# Altium PCB mV_meter.PcbDoc (part 3 of 3)
Units mil, origin at the board's own origin, x right, y up, seen from the top; angles counter-clockwise.
Board outline 5905.51 x 3937.01 mil, 2 copper layers (TOP, BOT), stack 61.811 mil thick; 225 components, 157 nets, 790 pads, 333 vias.
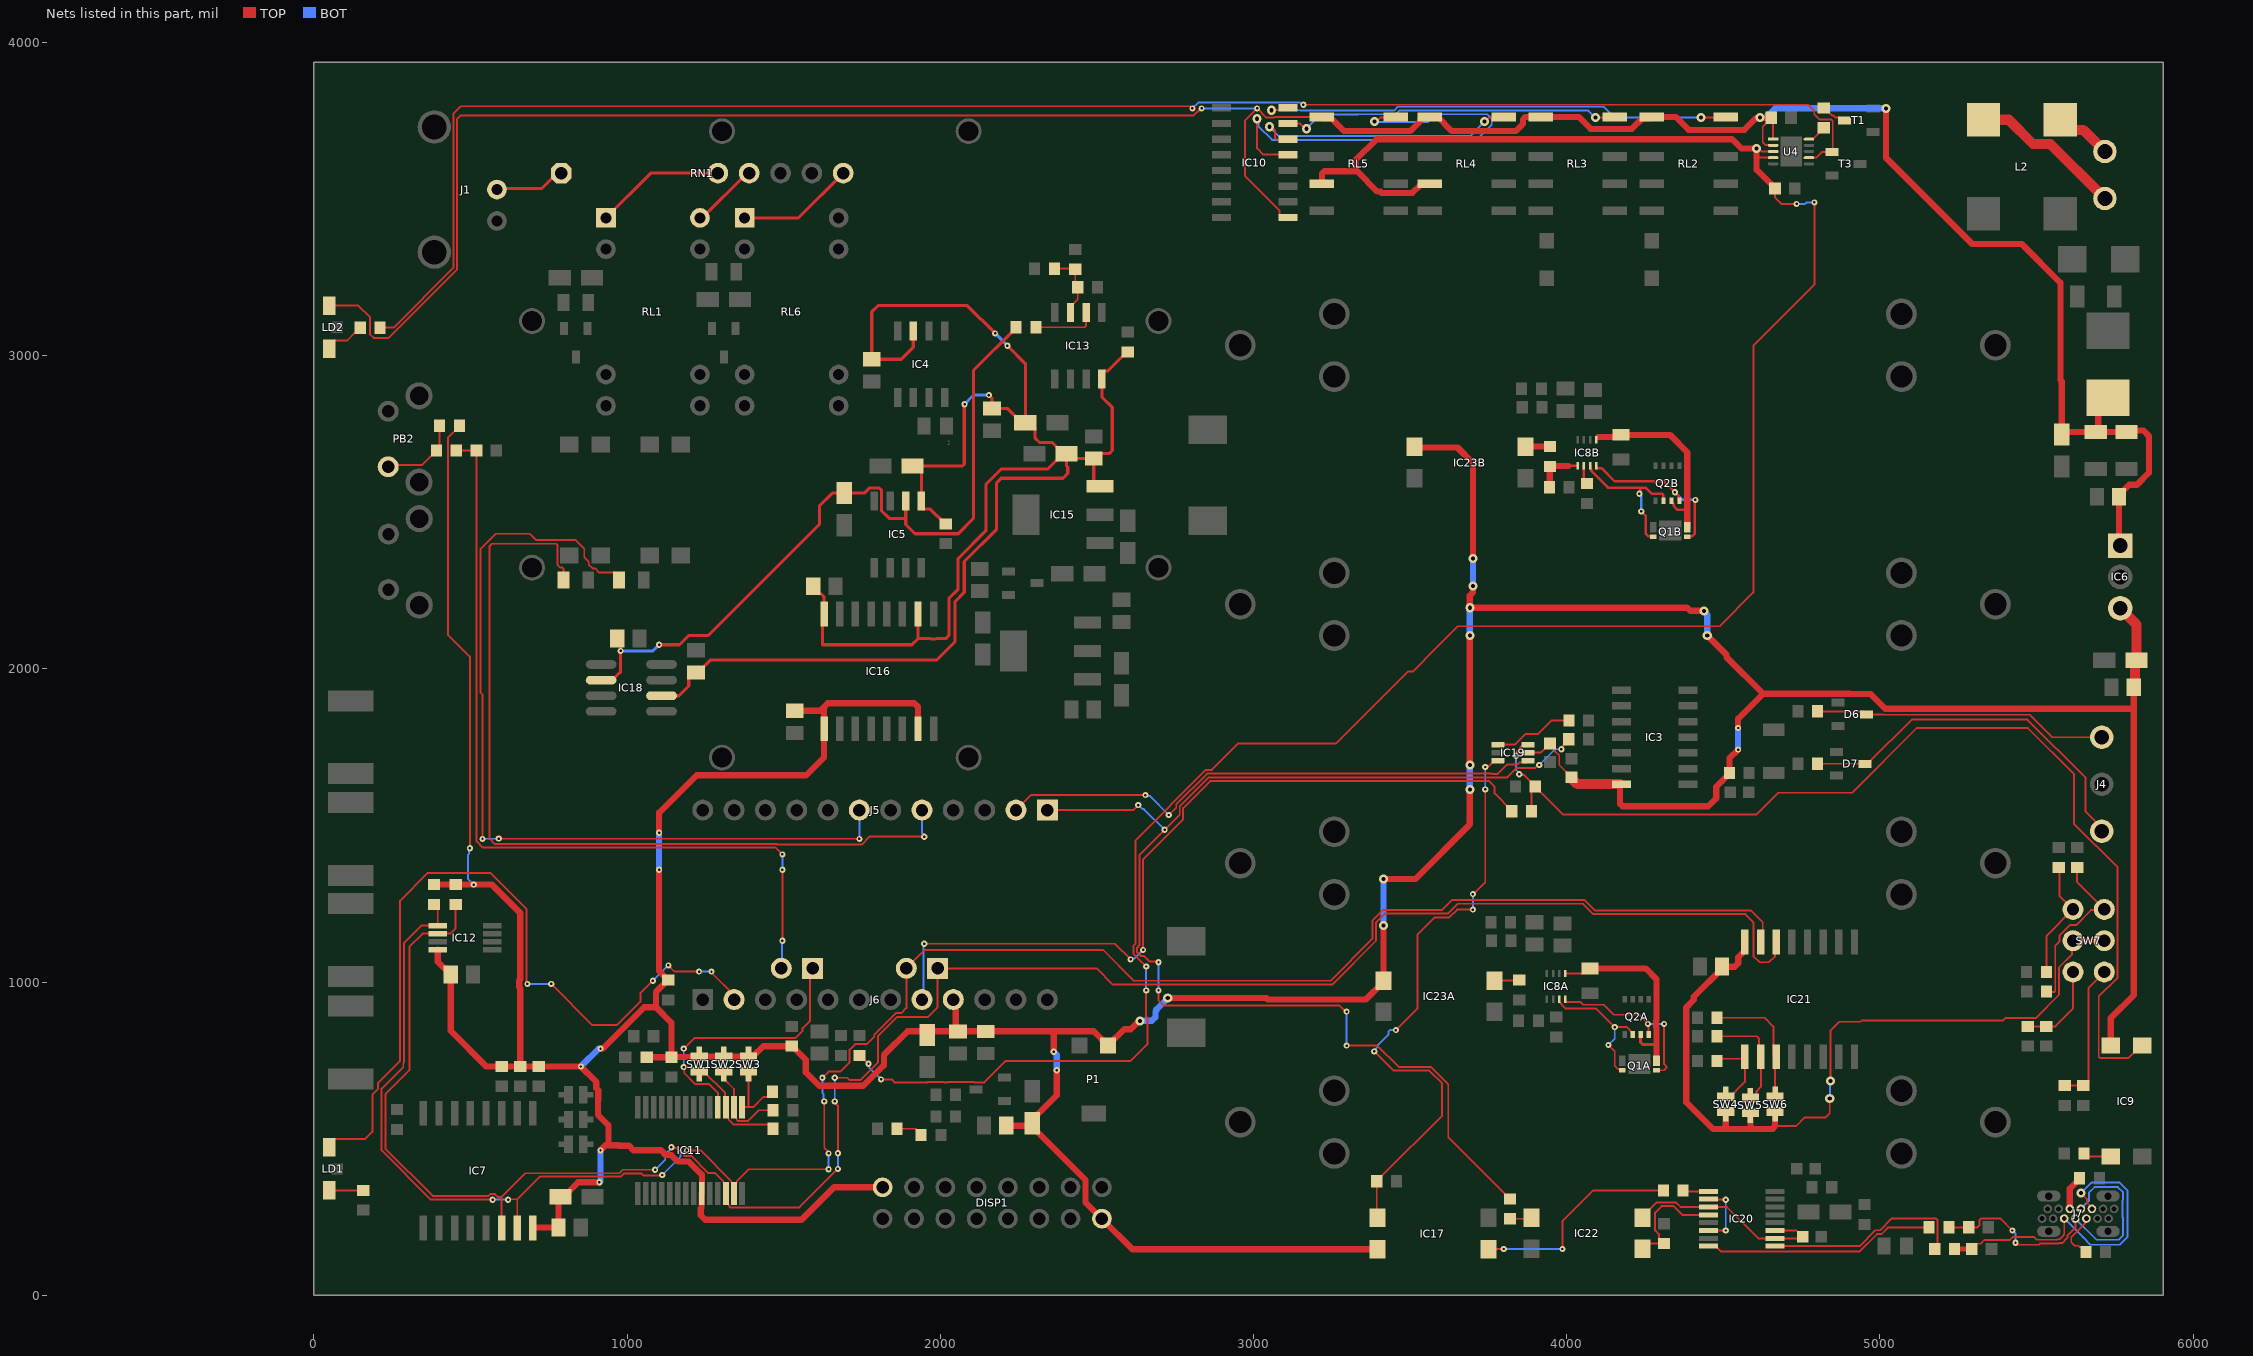
[diagram p3: the nets of this part, all layers, seen from the top]

## Via types
v1: diameter 19.68, hole 7.87, TOP to BOT, 250 vias
v2: diameter 29, hole 13, TOP to BOT, 83 vias

## Nets (pads, with @x,y where several pads share a name; then routed paths per layer and width w, separated by ;. In a path a pad name is that pad's centre, name@x,y a point inside that pad or via, vN(x,y) a via of type N, cw(c..) or ccw(c..) an arc to the next point about the centre after c; other vN are vias at no path point) (continued)
NetIC8A_3: IC8A.3 Q1A.3 Q2A.2 | length 459.5
  TOP w6: IC8A.3@3976.38,944.88 3976.38,937.01 3983.13,930.26 3983.13,929.34 3997.11,915.35 4094.49,915.35 v1(4153.54,856.3) 4192.35,856.3 4201.04,847.61 4201.04,846.47 4210.63,836.88 Q2A.2@4210.63,832.88 ; v1(4133.32,798.96) 4153.54,778.74 4153.54,732.35 4163.59,722.3 4173.96,722.3 Q1A.3@4177.76,718.5
  BOT w6: v1(4133.32,798.96) 4153.54,819.18 v1(4153.54,856.3)
NetIC8A_4: IC8A.4 Q1A.4 Q2A.4 | length 564.1
  TOP w6: IC8A.4@3996.06,944.88 3996.06,937.01 3997,936.07 4044.24,936.07 4052.96,927.35 4119.14,927.35 4150.83,895.67 4232.28,895.67 v1@4260.57,867.38 ; Q2A.4@4261.81,832.88 v1@4261.81,866.14 ; Q1A.4@4286.81,718.5 4311.02,718.5 4318.38,725.86 4318.38,730.83 4311.02,738.19 v1(4311.02,866.14)
  BOT w6: v1(4259.34,866.14) v1(4311.02,866.14)
NetIC8A_5: IC8A.5 Q1A.5_6 Q2A.3 R26A.2 | length 652.8
  TOP w6: IC8A.5@3996.06,1027.17 4049.8,1027.17 4065.94,1043.31 R26A.2@4074.8,1043.31
  TOP w10: Q2A.3@4236.22,832.88 4236.22,806.78 4242.08,800.92 4286.81,800.92
  TOP w20: R26A.2@4074.8,1043.31 4251.97,1043.31 4286.81,1008.46 4286.81,878.48 4285.18,876.85 4285.18,855.44 4286.81,853.81 4286.81,800.92 Q1A.5_6@4286.81,748.03
NetIC8B_1: IC8B.1 R21B.1 R23B.1 | length 157.1
  TOP w8: 4005.91,2647.64 4006.69,2648.43 IC8B.1@4035.43,2648.43
  TOP w19.68: R21B.1@3944.88,2579.53 3945.87,2580.51 3945.87,2645.47 R23B.1@3946.85,2646.46 3948.03,2647.64 4005.91,2647.64
NetIC8B_2: IC8B.2 R25B.2 | length 61.2
  TOP w7.87: IC8B.2@4055.12,2648.43 4055.12,2601.18 R25B.2@4064.96,2591.34
NetIC8B_3: IC8B.3 Q1B.3 Q2B.2 | length 483.3
  TOP w7.87: IC8B.3@4074.8,2648.43 4074.8,2640.55 4078.74,2636.61 4078.74,2631.72 4131.72,2578.74 4235.17,2578.74 ; v1(4232.28,2559.06) 4234.54,2561.32 4234.54,2578.11 4235.17,2578.74 ; v1(4237.89,2502.76) 4251.97,2488.68 4251.97,2431.92 4260.86,2423.03 4275.2,2423.03 Q1B.3@4276.18,2422.05 ; Q2B.2@4309.05,2536.43 4309.05,2554.62 4304.44,2559.24 4271.47,2559.24 4251.97,2578.74 4235.17,2578.74
  BOT w7.87: v1(4232.28,2559.06) 4232.28,2555.86 4237.89,2550.25 v1(4237.89,2502.76)
NetIC8B_4: IC8B.4 Q1B.4 Q2B.4 | length 536.3
  TOP w7.87: IC8B.4@4094.49,2648.43 4094.49,2640.55 4111.42,2640.55 4153.54,2598.43 4311.02,2598.43 v1(4345.61,2563.84) 4357.17,2552.28 4357.17,2539.49 Q2B.4@4360.24,2536.43 ; Q1B.4@4385.24,2422.05 4386.22,2423.03 4400.56,2423.03 4409.45,2431.92 4409.45,2537.74 v1(4411.08,2539.37)
  BOT w7.87: v1(4345.61,2563.84) 4370.08,2539.37 v1(4411.08,2539.37)
NetIC8B_5: IC8B.5 Q1B.5_6 Q2B.3 R26B.2 | length 617.9
  TOP w7.87: Q2B.3@4334.65,2536.43 4334.65,2532.43 4341.42,2525.65 4341.42,2520.53 4354.38,2507.58 4385.24,2507.58
  TOP w20: 4101.05,2739.75 4166.13,2739.75 R26B.2@4173.23,2746.85 4329.92,2746.85 4385.24,2691.54 4385.24,2507.58 Q1B.5_6@4385.24,2451.57
NetIC9_1: IC9.1 R44.1 | length 89.9
  TOP w6: R44.1@5651.57,452.76 5661.42,442.91 IC9.1@5737.4,442.91
NetIC11_15: IC11.15 R29.2 SW3.2 | length 233.2
  TOP w6: IC11.15@1367.13,600.39 1387.8,600.39 ; SW3.2@1387.8,714.57 SW3.2@1387.8,691.44 1387.8,600.39 ; R29.2@1464.57,649.61 1464.57,647.64 1449.85,632.92 1435.09,632.92 1402.56,600.39 1387.8,600.39
NetIC11_16: IC11.16 R20.2 SW2.2 | length 280.4
  TOP w6: SW2.2@1309.05,691.44 1309.05,690.94 1341.54,658.46 1341.54,572.83 1350.27,564.1 1350.27,560.66 1354.95,555.98 1386.1,555.98 1420.67,590.55 R20.2@1466.54,590.55
NetIC11_17: IC11.17 R19.2 SW1.2 | length 355
  TOP w6: SW1.2@1230.31,714.57 1244.09,714.57 1312.85,645.81 1312.85,575.93 1324.68,564.1 1324.68,560.66 1340.36,544.98 1453.05,544.98 R19.2@1466.54,531.5
NetIC13_2: IC13.2 R39.2 | length 205
  TOP w6: R39.2@2305.12,3090.55 2460.63,3090.55 2465.94,3095.87 IC13.2@2465.94,3137.8
NetIC13_3: IC13.3 R40.2 R41.2 R42.1 | length 218.3
  TOP w6: R40.2@2364.17,3277.56 2429.13,3277.56 R41.2@2431.1,3275.59 2431.1,3226.38 R42.1@2438.98,3218.5 2438.98,3179.53 2415.94,3156.5 IC13.3@2415.94,3137.8
NetIC17_1: IC17.1 R46.1 | length 688.7
  TOP w6: IC17.1@3750,146.85 3750.79,147.64 v1(3799.21,147.64) ; v1(3986.22,147.64) 3986.22,236.22 4084.65,334.65 R46.1@4309.06,334.65
  BOT w6: v1(3799.21,147.64) v1(3986.22,147.64)
NetIC20_1: IC20.1 R46.2 | length 81.9
  TOP w6: R46.2@4372.05,334.65 4375,331.69 IC20.1@4452.76,331.69
NetIC20_2: IC20.2 IC20.6 | length 209.3
  TOP w6: IC20.6@4452.76,206.69 v1(4507.87,206.69) ; IC20.2@4452.76,306.69 4453.54,305.91 4507.09,305.91 v1(4507.87,305.12)
  BOT w6: v1(4507.87,206.69) v1(4507.87,305.12)
NetIC20_4: IC20.4 IC22.3 R63.2 | length 376.3
  TOP w6: IC22.3@4242.13,147.64 4259.84,165.35 R63.2@4309.06,165.35 ; R63.2@4311.02,165.35 R63.2@4309.06,165.35 ; IC20.4@4452.76,256.69 4369.29,256.69 4341.39,284.59 4303.22,284.59 4282.34,263.71 4282.34,206.9 4294.34,194.9 4294.34,180.07 R63.2@4309.06,165.35
NetIC20_8: IC20.8 R48.1 | length 743.5
  TOP w6: IC20.8@4452.76,156.69 4475.39,156.69 4492.27,139.82 4935.16,139.82 4990.88,195.54 5005.81,195.54 5026.81,216.54 R48.1@5157.48,216.54
NetIC20_9: IC20.9 R47.1 | length 653.7
  TOP w6: IC20.9@4665.35,156.69 4935.07,156.69 4985.91,207.54 5000.84,207.54 5038.53,245.22 5178.92,245.22 5184.2,239.95 5184.2,156.64 R47.1@5175.2,147.64
NetIC21_1: IC21.1 R51.2 SW4.2 | length 254
  TOP w6: R51.2@4476,749 4482,755 4569,755 4569.09,755.09 IC21.1@4569.09,761.81 ; SW4.2@4507.87,633.86 4521.65,633.86 4560.8,673 4561,673 4569,681 IC21.1@4569,752
NetIC21_2: IC21.2 R52.2 SW5.2 | length 335.4
  TOP w6: R52.2@4480.32,826.77 4607.23,826.77 4614,820 4614,780 IC21.2@4623,771 ; SW5.2@4586.61,629.92 4595.57,629.92 4606.35,640.7 4606.35,652 4620,665.65 IC21.2@4620,757
NetIC21_3: IC21.3 R36.2 SW6.2 | length 406.8
  TOP w6: R36.2@4480.32,885.83 4632.17,885.83 4660.28,857.72 4660.28,768.72 IC21.3@4668.14,760.86 ; SW6.2@4665.35,656.99 4665.35,737.35 IC21.3@4668.69,740.69 ; IC21.3@4668.69,760.31 IC21.3@4668.69,740.69 ; IC21.3@4676,748 IC21.3@4668.69,740.69
NetIC22_1: IC22.1 R65.2 | length 70.4
  TOP w6: R65.2@3818.9,244.09 3884.25,244.09 IC22.1@3887.8,247.64
NetIC23A_4: IC23A.4 R23A.2 | length 79.2
  TOP w6: IC23A.4@3769.69,1004.72 3847.24,1004.72 R23A.2@3848.43,1005.91
NetIC23B_4: IC23B.4 R23B.2 | length 79.2
  TOP w19.68: IC23B.4@3868.11,2708.27 3869.29,2709.45 R23B.2@3946.85,2709.45
NetJ1_1: J1.1 RN1.1 | length 227.2
  TOP w10: J1.1@584.75,3530 587.74,3532.99 726.9,3532.99 776.59,3582.68 RN1.1@790.16,3582.68
NetJ7_A5: J7.A5 R49.2 | length 156.4
  TOP w6: R49.2@5657.48,137.8 5657.48,139.76 5642.76,154.48 5636.73,154.48 5633.05,158.17 5622.05,158.17 5610.92,169.3 5610.92,185.04 5655.32,229.44 5655.32,240.76 J7.A5@5659.45,244.88
NetJ7_B5: J7.B5 R50.1 | length 111.5
  TOP w20: J7.B5@5606.3,275.59 5606.3,340.55 5637.8,372.05 R50.1@5637.8,374.02
NetJ10_1: J10.1 L2.1 | length 484.1
  TOP w32: L2.1@5330.56,3753 5411.6,3753 5488.75,3675.85 5544.23,3675.85 5710,3510.08 J10.1@5710,3506
NetJ10_2: J10.2 L2.4 | length 183.4
  TOP w32: L2.4@5575.44,3753 5607.59,3720.85 5649.23,3720.85 5713,3657.08 J10.2@5713,3651
NetLD1_1: LD1.1 R69.2 | length 108.3
  TOP w6: LD1.1@49.21,334.65 R69.2@157.48,334.65
NetLD2_1: LD2.1 R28.2 | length 133.8
  TOP w6: LD2.1@49.21,3021.65 49.21,3031.5 65.9,3048.18 106.99,3048.18 131.43,3072.62 133.4,3072.62 148.11,3087.34 R28.2@148.11,3089.31
NetPB2_2: PB2.2 R67.1 R68.2 | length 259.6
  TOP w6: PB2.2@237.49,2645.16 242.58,2650.25 345.13,2650.25 375.05,2680.17 377.02,2680.17 391.73,2694.88 R68.2@391.73,2696.85 401.57,2706.69 R67.1@401.57,2775.59
NetR27_1: R27.1 U4.10 | length 81.8
  TOP w6: R27.1@4821,3727.5 4818.97,3729.54 4814.9,3729.54 4806.15,3720.79 4806.15,3711.37 U4.10@4785.72,3690.94 ; U4.10@4785.72,3690.94 U4.10@4773.62,3690.94 U4.10@4785.72,3690.94
NetR27_2: R27.2 T1.3 | length 74.9
  TOP w6: R27.2@4821,3790.5 4822.97,3790.5 4847.24,3766.22 4852.63,3766.22 4858.06,3760.8 4871.2,3760.8 T1.3@4880,3752
NetR28_1: R28.1 T3.1 U4.7 | length 5438.1
  TOP w6: R28.1@211.1,3089.31 254.66,3089.31 445.9,3280.54 445.9,3772.67 469.16,3795.93 2798.56,3795.93 v1(2805.12,3789.37) ; v1(3159.45,3801.09) 4771.75,3801.09 4773.6,3799.23 4790.37,3782.46 4790.37,3770.99 4807.15,3754.22 4844.41,3754.22 4849.69,3748.95 4849.69,3659.4 4839.89,3649.61 4814.91,3649.61 4797.36,3632.05 4773.79,3632.05 U4.7@4773.62,3631.89
  BOT w6: v1(2805.12,3789.37) 2823.68,3807.93 3149.61,3807.93 3156.45,3801.09 v1(3159.45,3801.09)
NetR30_1: R30.1 R31.2 | length 86.1
  TOP w6: R30.1@1862.2,531.5 1921.26,531.5 1938.98,513.78 R31.2@1938.98,511.81
NetR53_2: R53.2 R57.2 SW7.1 | length 449.2
  TOP w6: R53.2@5590.55,669.29 R57.2@5648.29,669.29 ; R57.2@5649.61,669.29 5651.57,669.29 5666.29,684.01 5666.29,981.65 SW7.1@5716.53,1031.89
NetR54_2: R54.2 R58.2 SW7.2 | length 395.7
  TOP w6: R54.2@5536.72,1026.77 R54.2@5531.5,1032 5531.5,1146.85 SW7.2@5616.53,1231.89 5574.07,1274.35 5574.07,1362.94 R58.2@5570.87,1366.14
NetR55_2: R55.2 R59.2 SW7.4 | length 560.7
  TOP w6: R55.2@5532,970 5534,968 5556.37,968 5559.89,971.51 5559.89,1116.13 5574.07,1130.31 5574.07,1149.48 5606.48,1181.89 5626.59,1181.89 5674.07,1229.37 5697.95,1229.37 5714.01,1229.37 SW7.4@5716.53,1231.89 5629.92,1318.5 R59.2@5629.92,1366.14
NetR56_2: R56.2 R60.2 SW7.8 | length 267.3
  TOP w6: R56.2@5472.44,858.27 5513.73,858.27 R60.2@5514,858 ; R60.2@5531.5,858.27 5560.18,858.27 5616.53,914.62 SW7.8@5616.53,1031.89
NetRL1_1: RL1.1 RN1.2 | length 416.7
  TOP w10: RL1.1@932.68,3439.76 1075.59,3582.68 RN1.2@1290.16,3582.68
NetRL1_14: RL1.14 RN1.3 | length 216.7
  TOP w10: RL1.14@1232.68,3439.76 1239.96,3439.76 1382.87,3582.68 RN1.3@1390.16,3582.68
NetRL6_1: RL6.1 RN1.6 | length 373.8
  TOP w10: RL6.1@1375.59,3439.76 1547.24,3439.76 RN1.6@1690.16,3582.68
P3V3: C52.2 IC21.16 SW4.1 SW5.1 SW6.1 SW7.C1 SW7.C2 | length 2630.7
  TOP w6: 4665.35,540.35 4732.35,540.35 4760,568 4827,568 4840,581 v2(4840,628) ; v2(4842,684) 4842,844.2 4870.8,873 4938,873 4942,877 5392.98,877 5400.96,884.98 5497.11,884.98 5571.89,959.76 5571.89,1047.3 5614.01,1089.43 5614.01,1129.37 SW7.C2@5616.53,1131.89
  TOP w15: SW7.C2@5616.53,1131.89 SW7.C1@5716.53,1131.89
  TOP w20: SW4.1@4521.65,586.61 SW4.1@4507.87,586.61 SW4.1@4507.87,563.48 4507.87,538.36 4515.23,531 ; IC21.16@4569.09,1127.95 4569.09,1100.39 4547.57,1078.87 4547.57,1059.63 4536.94,1049 C52.2@4496.43,1049 4496.43,1043.09 4406,952.66 4406,943 4381.61,918.61 4381.61,720.89 4382,720.5 4382,616 4461.03,536.97 4467,531 4515.23,531 ; SW5.1@4586.61,582.68 SW5.1@4586.61,559.55 4586.61,539.16 4594.78,531 ; 4658.74,531 4594.78,531 ; 4660,535 4665.35,540.35 SW6.1@4665.35,563.48 SW6.1@4665.35,586.61 ; 4515.23,531 4594.78,531
  BOT w6: v2(4840,628) 4841,629 4841,683 v2(4842,684)
P5V0: C8.1 C9.2 C13.2 C15.2 C22.2 C25.2 C26.1 C27.2 C32.1 C34.2 C35.1 C36.2 C42.2 DISP1.2 DISP1.15 IC3.14 IC6.3 IC7.16 IC9.4 IC11.9 IC12.8 IC16.1 IC16.7 IC17.4 IC19.5 IC23A.1 IC23B.1 J6.9 P1.3 R6.2 R7.2 R8.2 R13.2 R14.2 R17.2 R33.1 R35.1 R43.2 R61.1 R67.2 SW1.1 SW2.1 SW3.1 | length 18682.8
  TOP w6: R67.2@464.57,2775.59 464.57,2773.62 428.01,2737.06 428.01,2109.25 498.37,2038.89 v1(498.37,1427.27) ; IC19.5@3876.97,1732.28 3917.32,1732.28 C42.2@3946.85,1761.81 3962.55,1746.11 3962.55,1737.18 3976.38,1723.36 3976.38,1692.91 C22.2@4013.05,1656.24
  TOP w20: R6.2@383.86,1311.02 R7.2@452.76,1311.02 v1(510.83,1311.02) 568.9,1311.02 659.45,1220.47 659.45,1007.96 656.29,1004.8 656.29,983.39 659.45,980.23 659.45,738.03 R35.1@659.45,730.32 ; IC12.8@395.67,1103.35 395.67,1064.96 418.46,1042.17 424.37,1042.17 437.01,1029.53 C36.2@437.01,1023.62 437.01,844.02 550.71,730.32 R35.1@659.45,730.32 ; IC7.16@699.61,214.57 699.61,214.72 701.42,216.54 C34.2@781.5,216.54 781.5,309.06 C35.1@787.4,314.96 798.23,314.96 843.81,360.54 v1(911.88,360.54) ; v1(915.35,462.6) 931.26,478.5 933.06,478.5 ; v1(915.35,787.4) 922.68,787.4 1054.32,919.04 1092.52,919.04 ; R17.2@1062.99,759.84 R43.2@1141.73,759.84 ; v1(1102.36,1358.27) 1102.36,1035.43 1122.2,1015.59 1122.2,1013.62 R14.2@1129.92,1005.91 ; v1(1102.36,1476.38) 1102.36,1540.18 1222.38,1660.2 1571.61,1660.2 1629.13,1717.72 IC16.1@1629.13,1809.05 1629.13,1878.05 ; R14.2@1131.89,1005.91 R14.2@1129.92,1005.91 ; C13.2@1535.43,1866.14 1617.23,1866.14 1629.13,1878.05 ; DISP1.15@1816.14,344.49 1660.73,344.49 1557.15,240.91 1249.55,240.91 1235,255.46 1235,276.04 1238.03,279.07 1238.03,323.66 IC11.9@1239.17,324.8 1239.17,384.84 1197.26,426.76 1162.43,426.76 1141.59,447.6 1124.37,447.6 1108.68,463.29 1020.35,463.29 1006.51,477.13 973.96,477.13 972.59,478.5 940.69,478.5 940.69,543.12 907.13,576.68 907.13,622.69 907.72,623.28 907.72,654.84 901.88,660.67 901.88,681.01 v1(852.57,730.32) R35.1@659.45,730.32 ; IC16.7@1929.13,1809.05 1929.13,1878.05 1917.42,1889.76 1640.85,1889.76 1629.13,1878.05 ; J6.9@2041.82,943.87 2049.45,936.24 C9.2@2049.45,850.15 ; C9.2@2049.45,842.52 1895.67,842.52 1820.18,767.03 1820.18,734.68 1754.11,668.61 1613.31,668.61 1570.63,711.29 1570.63,752.2 1527.56,795.28 1435.04,795.28 1405.35,765.59 1391.57,765.59 SW3.1@1387.8,761.81 SW1.1@1230.31,761.81 1229.33,760.83 1141.73,760.83 1141.73,869.83 1092.52,919.04 ; C9.2@2057.09,842.52 C15.2@2145.67,842.52 2363.27,842.52 ; C27.2@2210.63,541.34 C32.1@2285.43,541.34 ; v1(2362.2,777.56) 2362.2,841.46 2363.27,842.52 ; v1(2372.05,718.5) 2372.05,638.78 2293.31,560.04 C32.1@2293.31,549.21 2293.31,538.39 2463.64,368.06 2463.64,296.99 DISP1.2@2516.14,244.49 2613.78,146.85 IC17.4@3395.67,146.85 ; v2(2637.8,875.98) 2635.36,875.98 2608.63,849.26 2587.45,849.26 P1.3@2535.43,797.24 2490.16,842.52 2363.27,842.52 ; v2(2726.38,948.7) 3041.54,948.7 3046.04,944.2 3358.76,944.2 3415.35,1000.79 v2(3415.35,1181.1) ; v2(3415.35,1328.74) 3516.64,1328.74 3690.94,1503.04 v2(3690.94,1614.17) ; IC23B.1@3513.78,2708.27 3515.35,2706.69 3651.57,2706.69 3700.79,2657.48 v2(3700.79,2352.36) ; v2(3690.94,1692.91) v2(3690.94,2106.3) ; v2(3690.94,2194.88) 4384.48,2194.88 4394.32,2185.04 v2(4438.98,2185.04) ; v2@3690.94,2204.72 3690.94,2233.9 3700.79,2243.75 v2(3700.79,2263.78) ; IC3.14@4170.27,1631.16 4170.27,1569.32 4178.43,1561.16 4452.27,1561.16 4477.27,1586.16 4477.27,1623.54 4496.58,1642.86 4497.19,1642.86 4519.68,1665.35 R8.2@4519.68,1667.32 4519.68,1714.57 v1(4547.24,1742.13) ; v2(4448.82,2106.3) 4510.35,2044.77 4510.35,2037.4 4627.22,1920.53 ; v1(4547.24,1811.02) 4547.24,1840.55 4627.22,1920.53 ; IC9.4@5737.4,797.24 5737.4,885.04 5810.43,958.07 5810.43,1872.49 ; C25.2@5810.43,1941 5810.43,1872.49 ; 1092.52,919.04 1092.52,968.5 R14.2@1129.92,1005.91 ; 4627.22,1920.53 4904.04,1920.53 4905.28,1919.29 4970.47,1919.29 5017.27,1872.49 5810.43,1872.49
  TOP w32: C22.2@4016.27,1649.16 4033.93,1631.5 IC3.14@4170.27,1631.5 ; IC6.3@5770,2197 5770,2191.02 5818.9,2142.13 C26.1@5818.9,2027.56 5814.67,2023.33 5814.67,1945.23 C25.2@5810.43,1941
  BOT w6: v1(498.37,1427.27) 495.75,1424.65 495.75,1409.05 492.13,1405.43 492.13,1329.72 v1(510.83,1311.02)
  BOT w20: v1(852.57,730.32) 909.66,787.4 v1(915.35,787.4) ; v1(911.88,360.54) 911.88,360.7 915.35,364.17 v1(915.35,462.6) ; v1(1102.36,1358.27) v1(1102.36,1476.38) ; v1(2362.2,777.56) 2372.05,767.72 v1(2372.05,718.5) ; v2(2637.8,875.98) 2675.29,875.98 2687.01,887.7 2687.01,905.51 2689.75,908.25 2689.75,912.07 v2(2726.38,948.7) ; v2(3415.35,1181.1) v2(3415.35,1328.74) ; v2(3690.94,1614.17) v2(3690.94,1692.91) ; v2(3690.94,2106.3) v2(3690.94,2194.88) ; v2(3700.79,2263.78) v2(3700.79,2352.36) ; v2(4448.82,2106.3) 4448.82,2172.76 ; v1(4547.24,1742.13) v1(4547.24,1811.02)
P5V0A: C7.2 C10.1 C11.2 C12.2 C17.1 C18.2 C38.2 C39.1 IC4.7 IC5.1 IC13.8 IC15.3 IC16.10 IC16.16 IC18.2 R5.2 R38.2 | length 6212.3
  TOP w10: IC18.2@1110.24,1913.98 1165.94,1913.98 1196.93,1944.96 1196.93,1970.55 1214.57,1988.19 C18.2@1220.47,1988.19 1226.38,1988.19 1265.75,2027.56 1988.19,2027.56 2047.24,2086.61 2047.24,2214.57 2076.77,2244.09 2076.77,2342.52 2180.12,2445.87 2180.12,2593.5 2194.88,2608.27 2391.73,2608.27 2407.28,2623.81 2407.28,2643.67 2403.54,2647.4 C39.1@2403.54,2687.01 ; C7.2@1594.49,2263.78 1594.49,2257.87 1612.13,2240.24 1618.03,2240.24 1629.13,2229.13 IC16.16@1629.13,2175.2 1624.02,2170.08 1624.02,2076.77 1909.45,2076.77 1929.13,2096.46 ; C17.1@1911.42,2647.64 C17.1@1920.16,2647.64 ; IC4.7@1913.98,3078.74 1913.98,3026.18 1875.98,2988.19 C12.2@1781.5,2988.19 1781.5,3139.76 1801.18,3159.45 2086.61,3159.45 v1(2175.2,3070.87) ; IC16.10@1929.13,2175.2 1929.13,2096.46 ; R5.2@2017.72,2462.6 2015.75,2462.6 1968.43,2509.92 1946.57,2509.92 1939.76,2516.73 IC5.1@1939.76,2535.43 1939.76,2628.03 C17.1@1920.16,2647.64 ; v1(2077.93,2844.49) 2076.77,2843.33 2076.77,2653.5 2070.91,2647.64 C17.1@1920.16,2647.64 ; v1(2155.51,2874.02) 2155.51,2873.53 2165.35,2863.68 C11.2@2165.35,2830.71 2215.55,2830.71 2260.83,2785.43 C10.1@2271.65,2785.43 ; v1(2214.57,3031.5) 2271.65,2974.41 C10.1@2271.65,2785.43 ; IC15.3@2509.84,2582.68 2504.84,2582.68 2490.16,2597.36 C38.2@2490.16,2671.26 ; R38.2@2598.43,3011.81 2596.46,3011.81 2535.35,2950.71 2522.76,2950.71 2515.94,2943.9 IC13.8@2515.94,2925.2 2515.94,2867.91 2549.21,2834.65 2549.21,2696.85 2539.37,2687.01 2505.91,2687.01 C38.2@2490.16,2671.26 ; 1929.13,2096.46 1968.56,2096.46 1969.71,2095.3 1986.98,2095.3 1988.14,2096.46 2017.72,2096.46 2027.56,2106.3 2027.56,2224.41 2057.09,2253.94 2057.09,2352.36 2145.67,2440.94 2145.67,2588.47 2195,2637.8 2343.5,2637.8 C39.1@2392.72,2687.01 ; C10.1@2271.65,2785.43 2282.39,2785.43 2301.99,2765.83 2301.99,2737.43 2316.81,2722.61 2357.11,2722.61 C39.1@2392.72,2687.01 ; C39.1@2392.72,2687.01 C39.1@2403.54,2687.01 ; C39.1@2403.54,2687.01 2419.29,2671.26 C38.2@2490.16,2671.26
  BOT w10: v1(2077.93,2844.49) 2077.93,2845.65 2106.3,2874.02 v1(2155.51,2874.02) ; v1(2175.2,3070.87) v1(2214.57,3031.5)
P10V0: C23.1 C24.2 C30.2 C46.2 C47.2 IC6.1 IC10.9 L1.2 LD2.2 RL2.1 RL3.1 RL4.1 RL5.1 U4.1 U4.2 | length 8648.4
  TOP w6: LD2.2@49.21,3159.45 142.53,3159.45 179.61,3122.37 179.61,3067.36 190.73,3056.24 238.57,3056.24 456.9,3274.57 456.9,3754.14 469.63,3766.87 2809.27,3766.87 2821.92,3779.53 2824.29,3779.53 2833.85,3789.09 v1(2834.65,3789.09) ; v1(3011.81,3789.09) 3011.53,3789.09 2972.44,3750 2972.44,3573.69 3082.72,3463.41 3082.72,3449.76 3091.54,3440.94 IC10.9@3110.24,3440.94 ; v1@3011.81,3789.37 3041.34,3759.84 3067.08,3759.84 3069,3761.76 3218.45,3761.76 RL5.1@3218.5,3761.81 ; C30.2@4653.54,3758.86 4625.98,3731.3 4625.98,3681.1 4635.17,3671.91 4658.63,3671.91 U4.2@4659.29,3671.26 ; U4.1@4659.29,3690.94 C30.2@4659.29,3754.1
  TOP w19.68: RL5.1@3218.5,3761.81 3222.44,3757.87 3248.03,3757.87 3289.27,3716.63 3500.09,3716.63 3533.46,3750 3533.46,3757.87 3537.4,3761.81 3588.58,3761.81 3633.76,3716.63 3837.81,3716.63 3860.24,3739.06 3860.24,3753.74 3868.31,3761.81 RL3.1@3917.32,3761.81 4038.7,3761.81 4076.82,3723.69 4207.94,3723.69 4242.13,3757.87 4267.72,3757.87 RL2.1@4271.65,3761.81 4348.43,3761.81 4389.76,3720.47 4566.93,3720.47 4605.31,3758.86 4617.77,3758.86 C30.2@4653.54,3758.86
  TOP w20: v2(5019.68,3789.37) 5019.68,3631.89 5295.28,3356.3 5452.76,3356.3 5576.52,3232.54 5576.52,2922.5 5580.71,2918.31 5580.71,2755.91 C23.1@5580.71,2748.03 5588.58,2755.91 5680.09,2755.91 C47.2@5681,2755 ; C47.2@5687,2758 5697.54,2768.54 5697.54,2834.35 L1.2@5728.35,2865.16 ; C47.2@5692.09,2755.91 C46.2@5787.4,2755.91 5792.74,2761.24 5841.12,2761.24 5859,2743.36 5859,2625.87 5820.86,2587.73 5796.39,2587.73 5764.66,2556 5760,2556 5763.78,2552.22 C24.2@5763.78,2549.21 5763.78,2397.24 IC6.1@5767.72,2393.31
  BOT w6: v1(2834.65,3789.09) v1(3011.81,3789.09)
  BOT w20: v2@4617.77,3758.86 4634.84,3758.86 4665.35,3789.37 v2(5019.68,3789.37)
  other v2: 4617.77,3760.31
REL1: IC10.16 RL2.8 | length 1528.2
  TOP w6: v2(3057.35,3783.34) 3100.22,3783.34 3101.43,3782.13 IC10.16@3110.24,3790.94 ; v2(4429.13,3759.84) 4505.91,3759.84 RL2.8@4507.87,3761.81
  BOT w6: v2(3057.35,3783.34) 3150.55,3783.34 3151.64,3782.24 3300.16,3782.24 3300.39,3782.47 3448.9,3782.47 3460.9,3794.47 4118.91,3794.47 4153.54,3759.84 v2(4429.13,3759.84)
REL2: IC10.15 RL3.8 | length 1084.5
  TOP w6: IC10.15@3110.24,3740.94 3148.82,3740.94 3165.48,3724.29 v2(3169.29,3724.29) ; v2(4091.8,3759.84) 4151.58,3759.84 RL3.8@4153.54,3761.81
  BOT w6: v2(3169.29,3724.29) 3215.25,3770.24 3334.45,3770.24 3334.67,3770.47 3453.87,3770.47 3465.87,3782.47 4069.17,3782.47 v2(4091.8,3759.84)
REL3: IC10.14 RL4.8 | length 875.7
  TOP w6: v2(3051.18,3730.59) 3057.33,3730.59 3068.85,3719.06 3068.85,3695.01 3072.91,3690.94 IC10.14@3110.24,3690.94 ; v2(3737.47,3746.97) 3738.74,3746.97 3751.61,3759.84 3797.25,3759.84 RL4.8@3799.21,3761.81
  BOT w6: v2(3051.18,3730.59) 3080.98,3700.79 3692.07,3700.79 3737.47,3746.18 v2(3737.47,3746.97)
REL4: IC10.13 RL5.8 | length 1496.3
  TOP w6: v2(3011.81,3756.14) 3011.81,3661.42 3031.5,3641.73 3109.45,3641.73 IC10.13@3110.24,3640.94 ; v2(3385.83,3746.97) 3392.05,3746.97 3404.92,3759.84 3452.76,3759.84 RL5.8@3454.72,3761.81
  BOT w6: v2(3011.81,3756.14) 3015.9,3752.05 3015.9,3732.64 3059.75,3688.79 3713.3,3688.79 3760.97,3736.45 3760.97,3756.71 3747.2,3770.47 3582.16,3770.47 3557.88,3746.18 3386.61,3746.18 v2(3385.83,3746.97)
RESETn: IC11.18 J3.1 | length 873.6
  TOP w6: v1(1181.1,728.35) 1182.73,726.72 1182.73,709.5 1218.14,674.09 1262.08,674.09 1290.35,645.81 IC11.18@1290.35,600.39 ; v1(1181.1,787.4) 1214.69,820.99 1537.03,820.99 1560.66,844.62 1560.66,852.91 1584.28,876.54 1584.28,1035.32 J3.1@1592.68,1043.72
  BOT w6: v1(1181.1,728.35) v1(1181.1,787.4)
RLY_RNG_40_400V: J5.7 R4.1 | length 2775.5
  TOP w6: v1(538.53,1456.69) 538.53,1917.82 531.68,1924.66 531.68,2382.08 580.71,2431.1 688.98,2431.1 708.66,2411.42 834.78,2411.42 863.51,2382.69 863.51,2356.63 877.61,2342.52 877.61,2332.89 890.05,2320.45 897.98,2320.45 910.41,2308.02 958.71,2308.02 974.41,2292.32 R4.1@974.41,2283.46 ; v1(590.55,1458.01) 591.21,1457.35 1741.47,1457.35 v1(1742.13,1456.69)
  BOT w6: v1(538.53,1456.69) 539.18,1457.35 589.89,1457.35 v1(590.55,1458.01) ; J5.7@1741.82,1548.87 1741.97,1548.72 1741.97,1456.85 v1(1742.13,1456.69)
RLY_RNG_400V: J5.5 R2.1 | length 2774.8
  TOP w6: R2.1@797.24,2283.46 797.24,2319.6 793.73,2323.11 787.39,2323.11 777.56,2332.94 777.56,2395.9 774.04,2399.42 568.71,2399.42 561.02,2391.73 561.02,1457.12 577.98,1440.17 1478.93,1440.17 1480.25,1438.85 1749.52,1438.85 1775.36,1464.69 1947.69,1464.69 v1(1948.82,1463.56)
  BOT w6: J5.5@1941.82,1548.87 1941.82,1474.27 1948.82,1467.27 v1(1948.82,1463.56)
Rx: D6.3 J4.3 R16.2 | length 943.7
  TOP w6: R16.2@4801.18,1864.17 4800.27,1863.26 4800.27,1863.16 4947.87,1863.16 D6.3@4956.69,1854.33 4956.74,1854.38 5008.52,1854.38 5009.4,1853.49 5477.9,1853.49 5549.89,1781.5 J4.3@5708.66,1781.5
RXD: IC19.4 J5.2 | length 1759.4
  TOP w6: J5.2@2241.82,1548.87 2289.73,1596.79 v1(2655.18,1596.79) ; v1(2729.82,1533.28) 2753.59,1557.05 2753.59,1567.06 2851.75,1665.22 3762.43,1665.22 3762.94,1664.7 3779.63,1664.7 3810,1695.07 3843.55,1695.07 3849.32,1700.83 3871.11,1700.83 IC19.4@3876.97,1706.69
  BOT w6: v1(2655.18,1596.79) 2657.8,1594.17 2668.93,1594.17 v1(2729.82,1533.28)
RXD1: IC19.1 R15.2 | length 258.8
  TOP w6: IC19.1@3780.51,1757.87 3834.65,1757.87 3868.11,1791.34 3908.42,1791.34 3952.24,1835.16 R15.2@4007.27,1835.16
RXD2: IC17.3 IC19.3 R64.2 | length 1949.7
  TOP w6: v1(3385.83,778.4) 3447.2,717.03 3561.58,717.03 3602.36,676.25 3602.36,572.83 3410.39,380.86 3408.42,380.86 3393.7,366.14 3393.7,248.82 IC17.3@3395.67,246.85 ; v1(3454.72,846.46) 3523.62,915.35 3523.62,1151.57 3578.36,1206.32 3625.3,1206.32 3650.14,1231.16 v1(3700.79,1231.16) ; v1(3700.79,1280.84) 3702.1,1280.84 3740.16,1318.9 v1(3740.16,1615.02) ; v1(3740.16,1686.54) 3742.78,1689.16 3751.17,1689.16 3768.7,1706.69 IC19.3@3780.51,1706.69
  BOT w6: v1(3385.83,778.4) 3385.83,782.1 3396.77,793.05 3396.77,798.35 3431.27,832.85 3431.27,842.69 3435.04,846.46 v1(3454.72,846.46) ; v1(3700.79,1231.16) v1(3700.79,1280.84) ; v1(3740.16,1615.02) v1(3740.16,1686.54)
RXD_SEL: IC9.3 IC19.6 R62.2 R66.2 | length 3349.1
  TOP w6: v1(3838.58,1722.44) 3841.2,1725.06 3841.2,1737.63 3855.59,1752.02 3871.11,1752.02 IC19.6@3876.97,1757.87 ; v1(3848.43,1663.39) 3851.04,1660.77 3864.82,1660.77 3899.61,1625.98 R62.2@3899.61,1624.02 R62.2@3899.61,1622.05 ; R66.2@3887.8,1545.28 3887.8,1610.24 R62.2@3899.61,1622.05 ; IC9.3@5837.4,797.24 5833.46,797.24 5794.09,757.87 5702.33,757.87 5698.82,761.39 5698.82,954.12 5759,1014.3 5759,1366.99 5689.7,1436.28 5688.25,1436.28 5620.08,1504.46 5620.08,1663.39 5472.44,1811.02 5118.11,1811.02 4911.42,1604.33 4675.2,1604.33 4606.3,1535.43 3988.19,1535.43 3916.29,1607.33 3914.32,1607.33 R62.2@3899.61,1622.05
  BOT w6: v1(3838.58,1722.44) 3838.58,1676.93 3848.43,1667.09 v1(3848.43,1663.39)
SCL: IC7.14 IC11.12 IC12.6 IC21.14 J2.1 R7.1 | length 6710.1
  TOP w6: R7.1@452.76,1248.03 452.76,1171.26 436.02,1154.53 IC12.6@395.67,1154.53 347.44,1154.53 305.12,1112.2 305.12,718.5 228.54,641.92 228.54,467.57 378.99,317.12 557.63,317.12 563.48,322.96 578.26,322.96 587.04,314.17 599.61,314.17 ; IC7.14@599.61,214.57 599.61,314.17 ; v1(1089.62,400.54) 986.8,400.54 975.8,389.54 674.98,389.54 599.61,314.17 ; v1(1141.73,472.44) 1144.35,469.82 1158.49,469.82 1183.55,444.76 1204.72,444.76 1259.4,390.07 1281.68,390.07 1307.21,364.53 1307.21,361.09 1315.94,352.36 1315.94,297.24 1324.68,288.51 1324.68,285.07 1329.36,280.39 1550.07,280.39 v1(1673.23,403.54) ; v1(1663.39,618.76) 1663.39,615.06 1673.23,605.22 v1(1673.23,453.23) ; v1(1663.39,694.45) 1703.24,694.45 1710.08,687.61 1746.24,687.61 1801.18,742.55 1801.18,826.77 1863.16,888.75 1961.58,888.75 1991.82,918.98 J2.1@1991.82,1043.72 2499.59,1043.72 2551.37,991.94 3251.2,991.94 3391.85,1132.6 3391.85,1190.84 3419.33,1218.32 3620.33,1218.32 3652.02,1250 4051.91,1250 4085,1216.91 4570.5,1216.91 4596.46,1190.94 4596.46,1082.68 4616.14,1062.99 4645.67,1062.99 4665.35,1082.68 4665.35,1124.21 IC21.14@4669.09,1127.95
  BOT w6: v1(1089.62,400.54) 1122.05,432.97 1122.05,442.91 1127.63,448.49 1127.83,448.49 1131.31,451.97 1131.31,458.32 1141.73,468.74 v1(1141.73,472.44) ; v1(1663.39,618.76) v1(1663.39,694.45) ; v1(1673.23,403.54) v1(1673.23,453.23)
SDA: IC7.15 IC11.13 IC12.5 IC21.15 J2.2 R6.1 | length 6529.5
  TOP w6: R6.1@383.86,1248.03 395.67,1236.22 IC12.5@395.67,1180.12 343.5,1180.12 287.59,1124.2 287.59,743.06 285.43,740.9 285.43,728.35 216.54,659.45 216.54,462.6 374.02,305.12 v1(570.87,305.12) ; v1(620.08,305.12) 621.26,306.3 649.61,306.3 ; IC7.15@649.61,214.57 649.61,306.3 ; v1(1112.2,383.86) 1111.05,382.7 1052.11,382.7 1045.91,388.91 990.72,388.91 980.36,378.54 721.85,378.54 649.61,306.3 ; v1(1190.94,462.6) 1234.74,462.6 1332.8,364.53 1332.8,361.09 IC11.13@1341.54,352.36 ; v1(1624.02,694.45) 1643.75,714.18 1680.62,714.18 1710.76,744.32 1710.76,784.51 1728.27,802.02 1765.54,802.02 1789.18,825.67 1789.18,831.74 1858.19,900.75 1875.16,900.75 1891.82,917.41 J2.2@1891.82,1043.72 1950.46,1102.36 2519.69,1102.36 2618.11,1003.94 3246.22,1003.94 3379.85,1137.57 3379.85,1195.81 3414.36,1230.32 3602.36,1230.32 3634.05,1262 4056.88,1262 4089.97,1228.91 4588.02,1228.91 4625.98,1190.94 4625.98,1134.84 IC21.15@4619.09,1127.95 ; v1(1629.7,618.76) 1629.7,470.46 1643.7,456.46 v1(1643.7,452.76) ; v1(1643.7,402.23) 1387.96,402.23 1350.27,364.53 1350.27,361.09 IC11.13@1341.54,352.36 ; IC11.13@1341.54,352.36 IC11.13@1341.54,324.8 IC11.13@1341.54,352.36
  BOT w6: v1(570.87,305.12) v1(620.08,305.12) ; v1(1112.2,383.86) 1171.26,442.91 1171.26,451.39 1174.77,454.91 1179.55,454.91 1187.24,462.6 v1(1190.94,462.6) ; v1(1624.02,694.45) 1624.02,646.08 1627.09,643.01 1627.09,621.38 v1(1629.7,618.76) ; v1(1643.7,402.23) v1(1643.7,452.76)
Tx: D7.3 J4.1 R12.2 | length 1158.7
  TOP w6: R12.2@4801.18,1696.85 4935.57,1696.85 D7.3@4940.27,1692.16 ; D7.3@4964.94,1701.16 5101.78,1838 5471,1838 5657,1652 5657,1544.24 5708.66,1492.58 J4.1@5708.66,1481.5
TXD: J5.1 R9.1 R65.1 | length 4024.3
  TOP w6: J5.1@2341.82,1548.87 2616.04,1548.87 v1(2632.13,1564.96) ; v1(2696.85,973.09) 2696.85,941.18 2712.83,925.2 3274.58,925.2 3294.26,905.51 v1(3297.24,905.51) ; v1(2696.85,1062.99) 2694.23,1065.61 2667.42,1065.61 2649.51,1083.52 2639.83,1083.52 2628.8,1094.56 2628.8,1110.17 2635.64,1117.01 2635.64,1405.32 2764.59,1534.28 2764.59,1561.09 2856.72,1653.22 3757.46,1653.22 3757.97,1652.7 3808.21,1652.7 3838.58,1683.07 3898.76,1683.07 3908.6,1692.91 v1(3912.31,1692.91) ; v1(3297.24,797.24) 3395.67,797.24 3463.88,729.03 3566.55,729.03 3622.05,673.54 3622.05,503.94 3802.21,323.77 3802.21,321.8 3816.93,307.09 R65.1@3818.9,307.09 ; v1(3983.02,1743.37) 3985.64,1745.98 3985.64,1752.05 4006.77,1773.19 R9.1@4006.77,1775.16
  BOT w6: v1(2632.13,1564.96) 2633.55,1564.96 2646.17,1552.35 2650.41,1552.35 v1(2716.54,1486.22) ; v1(2696.85,973.09) v1(2696.85,1062.99) ; v1(3297.24,797.24) v1(3297.24,905.51) ; v1(3912.31,1692.91) 3962.76,1743.37 v1(3983.02,1743.37)
UART_SEL: J6.8 R66.1 | length 2557.3
  TOP w6: v1(1948.82,1122.05) 2557.69,1122.05 v1(2607.58,1072.15) ; v1(2647.64,1102.36) 2647.64,1392.09 2775.59,1520.04 2775.59,1555.12 2861.69,1641.22 3752.49,1641.22 3769.68,1624.02 3769.68,1602.36 3824.8,1547.24 R66.1@3824.8,1545.28
  BOT w6: J6.8@1941.82,943.87 1946.2,948.26 1946.2,1119.43 v1(1948.82,1122.05) ; v1(2607.58,1072.15) 2610.2,1074.77 2620.04,1074.77 v1(2647.64,1102.36)
USBDM: C49.1 J7.A7 J7.B7 R47.2 | length 1063.5
  TOP w6: C49.1@5293.31,147.64 5293.31,148.62 5309.01,164.32 5321.87,164.32 5333.87,176.32 5415.42,176.32 5425.27,186.17 5491.39,186.17 5500.33,177.22 5566.45,177.22 5567.87,178.64 5574.37,178.64 5586.92,191.19 5586.92,194.98 5588.58,196.64 J7.A7@5588.58,244.88 ; v2(5642,326) 5661.28,306.72 5661.28,294.57 5677.17,278.68 J7.B7@5677.17,275.59
  TOP w15: R47.2@5238.19,147.64 C49.1@5293.31,147.64
  BOT w6: J7.A7@5588.58,244.88 5589.86,244.88 5648.92,185.82 5648.92,184.54 5672.24,161.22 5765.73,161.22 5790.75,186.24 5790.75,334.23 5764.98,360 5676,360 v2(5642,326)
USBDP: C50.1 J7.A6 J7.B6 R48.2 | length 1046.3
  TOP w6: R48.2@5220.47,216.54 C50.1@5283.46,216.54 5311.17,216.54 5317.6,222.97 5317.6,238.79 5324.03,245.22 5384.7,245.22 v1(5423.23,206.69) ; v1@5431.54,162.76 5433.07,164.29 v1(5433.07,167.32) ; v1@5433.07,161.22 5508.37,161.22 5512.37,165.22 5571.42,165.22 5572.84,166.64 5582.17,166.64 5598.92,183.39 5598.92,190.01 5624.02,215.1 J7.A6@5624.02,244.88
  BOT w6: v1(5423.23,206.69) 5433.07,196.85 v1(5433.07,167.32) ; J7.A6@5624.02,244.88 5691.68,177.22 5761.93,177.22 5776.75,192.04 5776.75,246.65 5775.05,248.34 5775.05,302.95 5776.75,304.64 5776.75,328.43 5759.93,345.25 5685.25,345.25 5667.5,327.5 5667.5,301.36 J7.B6@5641.73,275.59
USR_LED: J6.2 LD1.2 | length 2531.3
  TOP w6: LD1.2@49.21,472.44 49.21,482.28 65.9,498.97 164.32,498.97 187.01,521.65 187.01,640.82 204.54,658.34 204.54,676.98 275.59,748.03 275.59,1259.84 364.17,1348.43 563.26,1348.43 679.13,1232.55 679.13,1003.94 679.52,1003.56 679.52,996.71 v1(682.13,994.09) ; v1(757.87,994.09) 889.71,862.26 967.84,862.26 1042.46,936.88 1042.46,963.72 v1(1082.68,1003.94) ; v1(1131.89,1053.15) 1151.57,1033.46 v1(1230.32,1033.46) ; v1(1269.68,1033.46) 1269.68,1029.76 1341.82,957.63 J6.2@1341.82,943.87
  BOT w6: v1(682.13,994.09) v1(757.87,994.09) ; v1(1082.68,1003.94) v1(1131.89,1053.15) ; v1(1230.32,1033.46) v1(1269.68,1033.46)
USR_SW: C53.2 J3.2 R68.1 | length 2671.7
  TOP w6: R68.1@454.72,2696.85 C53.2@519.68,2696.85 519.68,1448.82 539.34,1429.17 1474.38,1429.17 v1(1496.06,1407.48) ; v1(1496.06,1131.89) v1(1496.06,1358.27)
  BOT w6: J3.2@1492.68,1043.72 1494.37,1045.41 1494.37,1130.2 v1(1496.06,1131.89) ; v1(1496.06,1358.27) v1(1496.06,1407.48)
V_BAT_CHG: C31.2 R10.2 RL4.3 RL5.3 U4.3 U4.4 | length 7520.9
  TOP w6: R10.2@1742.13,765.75 1744.09,765.75 v1(1770.91,738.93) ; v1(1811.02,688.98) 1845.15,688.98 1855,679.13 1958.49,679.13 1959.81,680.45 2012.64,680.45 2013.95,679.13 2021.48,679.13 2022.8,680.45 2107.67,680.45 2108.85,679.28 2140.89,679.28 2209.65,748.03 2608.27,748.03 2661.3,801.06 2661.3,885.72 2657.48,889.53 v1(2657.48,973.09) ; v1(2657.48,1049.53) 2635.49,1071.52 2634.86,1071.52 2616.8,1089.59 2616.8,1115.14 2623.64,1121.98 2623.64,1452.66 2848.19,1677.22 2867.41,1677.22 2952,1761.81 3264.01,1761.81 3494.2,1992 3509.51,1992 3546.94,2029.43 3546.94,2031.19 3651.57,2135.83 4488.19,2135.83 4596.46,2244.09 4596.46,3031.5 4791.15,3226.19 v1(4791.15,3489.22) ; 4606.3,3627.46 4610.73,3631.89 U4.4@4659.29,3631.89 ; v2(4606.3,3661.42) 4612.52,3661.42 4622.37,3651.57 U4.3@4659.29,3651.57 ; C31.2@4665.35,3534.45 C31.2@4665.35,3533.46 4665.35,3503.94 4685.04,3484.25 v1(4734.25,3484.25)
  TOP w19.68: RL5.3@3218.5,3549.21 3218.5,3580.51 3226.58,3588.58 3330.81,3588.58 ; RL4.3@3562.99,3549.21 3559.05,3545.27 3533.46,3545.27 3507.78,3519.59 3408.79,3519.59 3404.76,3523.62 3395.77,3523.62 3330.81,3588.58 ; C31.2@4665.35,3534.45 4606.3,3593.5 4606.3,3627.46 v2(4606.3,3661.42) 4557.84,3661.42 4528.31,3690.94 3393.03,3690.94 3326.77,3624.69 3326.77,3592.62 3330.81,3588.58
  BOT w6: v1(1770.91,738.93) 1773.53,736.31 1773.53,726.47 v1(1811.02,688.98) ; v1(2657.48,973.09) v1(2657.48,1049.53) ; v1(4734.25,3484.25) 4761.52,3484.25 4766.5,3489.22 v1(4791.15,3489.22)
VCCIO: C51.2 IC20.3 IC20.10 IC20.11 IC22.4 | length 680.9
  TOP w6: IC22.4@4242.13,247.64 4242.13,251.57 4287.14,296.59 4348.74,296.59 4363.64,281.69 4511.61,281.69 4611.61,181.69 IC20.10@4665.35,181.69 4748.62,181.69 C51.2@4753.94,187.01 4734.25,206.69 IC20.11@4665.35,206.69
VREF: C19.2 C20.1 IC5.2 IC18.6 R39.1 | length 2413.9
  TOP w10: IC18.6@917.32,1963.98 952.76,1963.98 976.97,1988.19 979.02,1988.19 979.41,1988.58 v1(979.41,2057.09) 979.41,2085.55 C19.2@968.5,2096.46 ; v1(1102.36,2076.77) 1167.65,2076.77 1197.18,2106.3 1259.84,2106.3 1614.17,2460.63 1614.17,2519.68 1655.51,2561.02 C20.1@1692.91,2561.02 1757.48,2561.02 1773.4,2576.94 1806.13,2576.94 1812.57,2570.5 1812.57,2504.74 1837,2480.32 1889.76,2480.32 ; IC5.2@1889.76,2535.43 1889.76,2516.73 1889.76,2480.32 ; R39.1@2242.13,3090.55 2242.13,3088.58 2106.3,2952.76 2106.3,2480.32 2057.09,2431.1 1919.29,2431.1 1889.76,2460.63 1889.76,2480.32
  BOT w10: v1(979.41,2057.09) 1082.68,2057.09 v1(1102.36,2076.77)
pads on no net: D1.1 D5.1 D9.1 DISP1.7 DISP1.8 DISP1.9 DISP1.10 IC3.6 IC3.8 IC4.1 IC4.5 IC4.8 IC7.13 IC10.5 IC10.6 IC10.7 IC10.10 IC10.11 IC10.12 IC11.11 IC11.14 IC11.19 IC11.20 IC12.7 IC13.5 IC13.6 IC13.7 IC18.1 IC18.3 IC18.5 IC18.7 IC18.8 IC20.7 IC20.14 IC20.15 IC20.16 IC21.9 IC21.10 IC21.11 IC21.12 IC21.13 J1.3 J5.3 J6.10 J6.12 LD1.3 LD2.3 Q1A.7 Q1B.7 Q2A.5 Q2A.6 Q2A.7 Q2A.8 Q2B.5 Q2B.6 Q2B.7 Q2B.8 RL1.9 RL1.13 RL2.2 RL2.7 RL3.2 RL3.7 RL4.2 RL4.7 RL5.2 RL5.7 RL6.9 RL6.13 RL6.14 RN1.4 RN1.5 U4.5 U4.6

## Polygon pours and split planes (outlines as drawn)
no net on TopSolder "NONET_L01_P012" (solid): 923.87,2893.7 1252.98,2893.7 1289.37,2857.31 1289.37,2824.8 1299.21,2824.8 1368.11,2755.91 1870.08,2755.91 1889.76,2775.59 1889.76,2794.46 1913.98,2818.67 1909.45,2823.2 1909.45,2918.7 1913.98,2923.23 1967.42,2923.23 1988.66,2901.99 1986.14,2899.47 1986.14,2744.02 1948.82,2706.69 1328.74,2706.69 1240.04,2795.39 914.3,2795.39 885.83,2823.87 885.83,2855.66
no net on TopSolder "Polygon_6_NoNet" (solid): 1271.93,1185.89 1397.93,1185.89 1397.93,1129.89 1271.93,1129.89
no net on TopSolder "Polygon_5_NoNet" (solid): 297.93,1185.89 423.93,1185.89 423.93,1129.89 297.93,1129.89
no net on TopSolder "Polygon_4_NoNet" (solid): 779.93,1185.89 905.93,1185.89 905.93,1129.89 779.93,1129.89
no net on TopSolder (solid): 549.52,3592.52 688.98,3592.52 738.19,3641.73 826.77,3641.73 856.3,3612.2 856.3,3533.46 814.83,3492 534,3492 519,3507 519,3562
no net on TopSolder (solid): 1013.78,3622.05 1722.44,3622.05 1751.97,3592.52 1751.97,3553.15 1722.44,3523.62 1663.39,3523.62 1525.59,3385.83 885.83,3385.83 866.14,3405.51 866.14,3474.41
GND on BOT "NONET_L-01_P-001" (solid, remove dead copper, pour order 1): 9.84,3809.09 9.84,88.58 3454.72,88.58 3454.72,305.12 3494.09,305.12 3543.31,354.33 4616.14,354.33 4685.04,423.23 4901.57,423.23 4990.16,334.65 5452.76,334.65 5620.08,501.97 5895.67,501.97 5895.67,3818.9 2726.38,3818.9 2726.38,1683.07 2017.72,1683.07 2017.72,1929.13 1505.91,1929.13 1505.91,1673.23 659.45,1673.23 659.45,3021.65 442.91,3238.19 442.91,3720.47 472.44,3750 2726.38,3750 2726.38,3818.9
GNDi on BOT "NONET_L-01_P-001" (solid, pour order 0): 472.44,3710.63 472.44,3248.03 679.13,3041.34 679.13,1702.76 1486.22,1702.76 1486.22,1948.82 2037.4,1948.82 2037.4,1702.76 2716.54,1702.76 2716.54,3730.32 492.13,3730.32
GNDU on BOT "NONET_L-01_P-001" (solid, remove dead copper, pour order 2): 3474.41,118.11 3474.41,285.43 3503.94,285.43 3553.15,334.65 4616.14,334.65 4694.88,413.39 4901.57,413.39 4990.16,324.8 5462.6,324.8 5620.08,482.28 5905.51,482.28 5905.51,108.27 3484.25,108.27

## Keep-outs
Keep-Out Layer:
  lines w3.94: 5905.51,98.43 0,88.58 5905.51,108.27 ; 0,3818.9 5905.51,3818.9 0,3818.9

## Other copper
TOP:
  rectangle net BACKLIGNT_Bn: 1023.62,354.33 1043.31,374.02
  rectangle net GND: 3395.67,1722.44 3612.2,1860.24
  rectangle net NetC5_1: 2204.72,1929.13 2411.42,2185.04
  rectangle net GNDi: 2214.57,2381.89 2440.94,2588.58
BOT:
  rectangle net GND: 4399.61,1210.63 4527.56,1358.27
  pour cut-out: 2818.38,1630.49 3339.98,1630.49 3631.89,1338.58 4862.2,1338.58 4980.32,1456.69 4980.32,1614.17 5009.84,1643.7 5511.81,1643.7 5551.18,1604.33 5551.18,1230.32 5452.76,1131.89 5019.68,1131.89 4901.57,1250 4409.45,1250 4330.71,1171.26 4330.71,669.29 4301.18,639.76 4448.82,492.13 4911.42,492.13 4960.63,541.34 4960.63,767.72 4990.16,797.24 5452.76,797.24 5531.5,718.5 5531.5,383.86 5472.44,324.8 5078.74,324.8 4911.42,492.13 4448.82,492.13 4251.97,688.98 3612.2,688.98 3366.14,442.91 3366.14,334.65 3326.77,295.28 2864.17,295.28 2775.59,383.86 2775.59,777.56 2703.32,777.56 2657.48,823.4 2657.48,1469.59
  pour cut-out: 3174.21,3690.95 4522.64,3690.95 4581.69,3631.89 4581.69,3346.46 4630.91,3297.24 5437.99,3297.24 5516.73,3218.5 5516.73,2824.8 5516.73,1919.29 3292.32,1919.29 2908.46,1919.29 2782.67,2045.09 2782.67,3156.69 3011.81,3385.83 3125,3385.83 3164.37,3425.2 3164.37,3681.1

## Silkscreen, mask and mechanical layers (free items; w line width, h text height)
TopOverlay:
  text "G" at 5718.35,3779.68 h60 r90
  text "+" at 5679.13,3494.25 h60 r90
  text "CHG" at 256.06,3100.55 h60
  text "USR" at 295.43,2943.07 h60
  text "RANGE" at 459,2216 h60 r90
  text "Rx" at 5619.92,1742.28 h60 r90
  text "CAL D" at 334.49,1663.54 h60 r90
  text "G" at 5629.76,1634.02 h60 r90
  text "mV meter v1.0" at 541.18,1506.06 h60 r90
  text "Tx" at 5629.76,1456.85 h60 r90
  text "CAL C" at 334.49,1328.9 h60 r90
  text "https://github.com/gkasprow/mV_meter" at 626.28,1220.63 h40 r90
  text "CAL B" at 334.49,1013.94 h60 r90
  text "ID" at 5600.55,905.67 h60
  text "CAL A" at 330.95,669.05 h60 r90
  text "USR" at 118.27,403.7 h60
Mechanical 1:
  lines w3.94: 0,0 0,2263.78 0,2874.02 0,3937.01 5905.51,3937.01 5905.51,0 0,0
Top 3D Body:
  lines w10: 708.66,1819.88 796.26,1732.28 1240.16,1732.28 1367.13,1859.25 1367.13,1988.19 1347.44,2007.87 1279.53,2007.87 1268.7,1997.05 1268.7,1889.76 1189.96,1811.02 837.6,1811.02 807.09,1841.54 807.09,2125.98 826.77,2145.67 1161.42,2145.67 1181.1,2165.35 1181.1,2204.72 1161.42,2224.41 737.2,2224.41 708.66,2195.87 708.66,1819.88
Mechanical 8:
  lines w3.94: -68.9,0 -68.9,3937.01
Mechanical 15:
  lines w0: 1343.89,1104.05 1344.89,1105.05 ; 2147.95,1209.24 2165.07,1220.24

## Text inside footprints (layer, text, board x,y; h text height)
J4: TopOverlay "1" at 5807.09,1474.02 h39.37 r90; TopOverlay "3" at 5801.18,1769.03 h39.37 r90; TopOverlay "2" at 5801.18,1619.03 h39.37 r90
J10: TopOverlay "2" at 5811.02,3639.11 h39.37 r90; TopOverlay "1" at 5811.02,3500.92 h39.37 r90
LD1: Mechanical 8 "K" at 39.37,461.93 h19.69 r270
LD2: Mechanical 8 "K" at 39.37,3148.93 h19.69 r270